# KiCad board cpu2.kicad_pcb (continued)
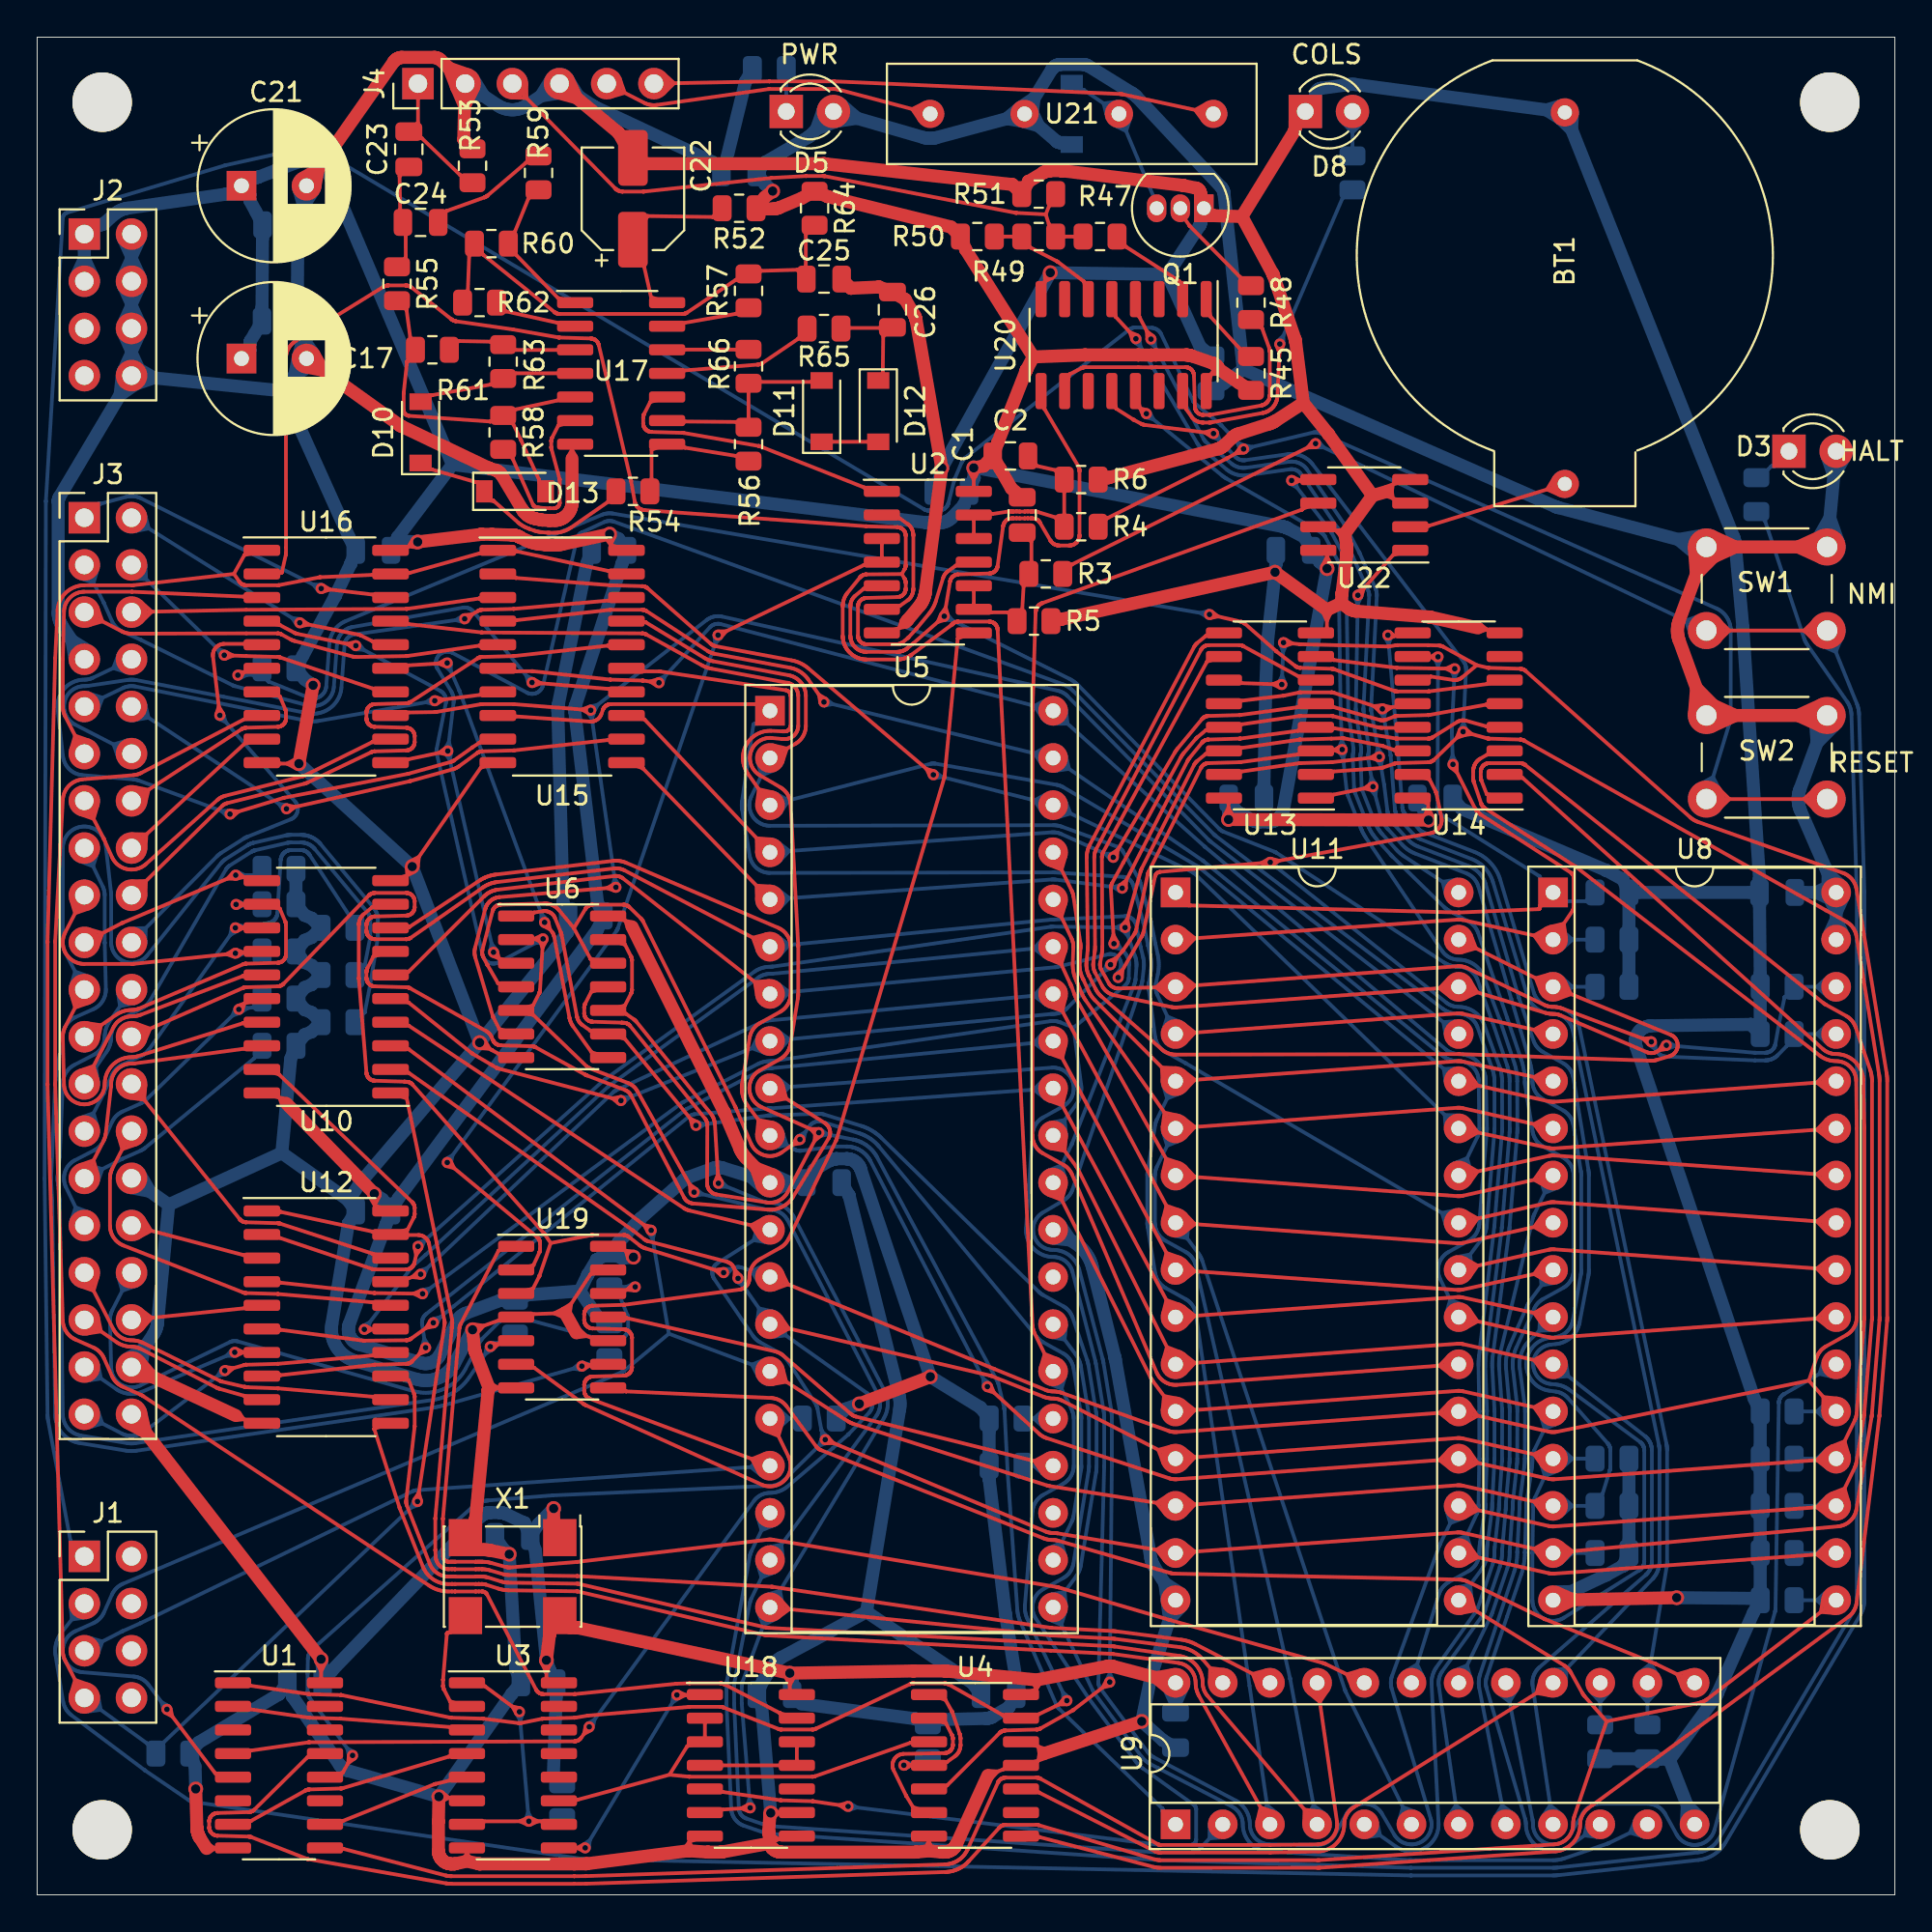
[diagram p0: board, top side]
## Routing (per net, layer and track width the routed paths; a pad name or vN(x,y) marks a point on that pad's centre or on a via; arc(x,y) is an arc through that point) (continued)
~{RD}: length 103.1
  Top w0.2: 35.55,41.6 35.16,41.79 35.27,41.37 ; U6.1 26.75,52.88 27.22,52.95 27.26,52.95 27.29,52.96 27.32,52.96 27.36,52.96 27.39,52.95 27.43,52.95 27.46,52.94 27.49,52.93 27.52,52.92 27.55,52.91 27.59,52.89 27.62,52.88 27.64,52.86 27.67,52.84 27.7,52.82 27.73,52.8 27.75,52.78 27.77,52.75 27.79,52.72 27.82,52.7 27.83,52.67 27.85,52.64 27.87,52.61 27.88,52.58 28.18,51.84 ; v2(35.47,41.42) 31.65,46.07 U6.9 29.77,46.53 29.76,46.53 29.35,46.82 29.32,46.84 29.3,46.87 29.27,46.89 29.24,46.91 29.22,46.94 29.2,46.97 29.18,47 29.16,47.03 29.14,47.06 29.12,47.09 29.11,47.12 29.09,47.15 29.08,47.19 29.07,47.22 29.06,47.27 29.05,47.3 28.24,51.65 28.23,51.68 28.22,51.71 28.22,51.73 28.21,51.76 28.2,51.79 28.19,51.82 28.18,51.85
  Bottom w0.2: 86.03,4.05 85.74,3.34 86.48,3.12 ; 35.57,41.25 35.94,41.48 35.52,41.61 ; 55.36,15.28 55.14,14.54 54.42,14.83 ; v2(35.47,41.42) 39.3,41.95 39.33,41.95 39.35,41.95 39.37,41.96 39.4,41.96 39.42,41.96 39.49,41.96 39.5,41.96 42.04,42.05 42.08,42.05 42.13,42.05 42.17,42.04 42.21,42.04 42.25,42.03 42.29,42.02 42.34,42.01 42.38,42 44.36,41.39 44.42,41.37 44.47,41.36 44.52,41.34 44.57,41.32 44.62,41.3 44.68,41.27 44.72,41.25 44.78,41.22 44.85,41.19 44.91,41.15 44.97,41.12 45.03,41.08 45.09,41.04 45.13,41.01 45.18,40.97 45.23,40.93 45.29,40.89 45.34,40.85 45.38,40.8 45.43,40.76 53.91,32.47 53.94,32.44 53.97,32.42 54,32.39 54.03,32.37 54.06,32.35 54.09,32.33 54.12,32.31 54.15,32.29 55.23,31.69 55.28,31.66 55.32,31.63 55.36,31.6 55.41,31.57 55.45,31.53 55.49,31.49 55.52,31.45 55.56,31.41 55.59,31.37 55.62,31.32 55.65,31.28 55.68,31.23 55.7,31.18 55.72,31.13 55.74,31.08 56.52,28.8 56.53,28.75 56.55,28.7 56.56,28.65 56.57,28.6 56.58,28.54 56.59,28.49 57,26.02 57.01,25.95 57.02,25.89 57.02,25.83 57.03,25.77 57.03,25.7 57.03,25.64 57.03,23.1 57.03,23.04 57.03,22.97 57.02,22.91 57.02,22.85 57.01,22.78 57,22.72 56.19,17.77 56.18,17.71 56.16,17.64 56.14,17.58 56.12,17.52 56.1,17.46 56.07,17.39 56.05,17.33 56.02,17.28 55.98,17.22 55.95,17.16 55.91,17.11 U5.21 56.82,11.02 56.83,10.99 56.85,10.96 56.86,10.93 56.88,10.9 56.9,10.87 56.92,10.85 59.43,7.46 59.47,7.41 59.52,7.36 59.56,7.31 59.61,7.26 59.66,7.22 59.71,7.18 59.76,7.14 59.82,7.1 59.88,7.07 59.93,7.03 60.35,6.82 60.35,6.82 64.32,4.75 64.37,4.72 64.42,4.69 64.47,4.66 64.51,4.62 64.56,4.58 64.6,4.54 64.64,4.5 64.68,4.45 64.71,4.4 64.74,4.36 64.77,4.3 64.8,4.25 64.82,4.2 64.84,4.14 64.86,4.09 64.87,4.03 64.89,3.97 64.89,3.91 64.9,3.85 64.9,3.71 64.91,3.63 64.92,3.54 64.94,3.46 64.96,3.38 64.99,3.3 65.02,3.22 65.05,3.14 65.09,3.07 65.14,2.99 65.19,2.92 65.24,2.86 65.3,2.79 65.36,2.73 65.42,2.68 65.49,2.63 65.55,2.58 65.63,2.53 65.7,2.49 65.78,2.46 65.86,2.42 65.94,2.4 66.02,2.38 66.1,2.36 66.19,2.35 66.27,2.34 73.86,1.87 73.89,1.87 73.92,1.87 73.95,1.86 73.98,1.86 81.6,1.86 81.68,1.87 81.76,1.87 81.84,1.88 81.92,1.89 81.99,1.91 82.07,1.92 82.15,1.94 82.22,1.97 84.5,2.74 84.52,2.75 84.55,2.76 84.58,2.77 84.6,2.78 84.63,2.8 U9.11 ; 55.39,15.55 55.31,16.31 54.56,16.17
~{READ}: length 135.9
  Top w0.2: 21.99,61.73 21.64,61.48 22.06,61.38 ; U11.24 81.36,34.72 81.4,34.73 81.44,34.74 81.48,34.74 81.52,34.75 81.56,34.75 81.6,34.75 81.64,34.75 81.68,34.75 U8.24 ; 96.33,33.16 95.8,33.72 96.41,34.19 ; U16.11 20,61.13 v2(22.11,61.57) ; U6.3 24.85,50.41 ; 24.85,50.41 24.49,50.55 ; 24.85,50.41 24.76,50.79 ; 24.85,50.41 v2(24.57,50.74) ; 77.09,33.24 77.53,33.87 76.87,34.25
  Bottom w0.2: 24.72,50.86 24.46,51.21 24.37,50.78 ; 21.95,61.45 22.21,61.11 22.3,61.53 ; U11.24 77.74,35.27 77.78,35.33 77.82,35.39 77.85,35.45 77.89,35.51 77.92,35.58 77.94,35.64 77.97,35.71 77.99,35.78 78,35.85 78.02,35.92 78.03,35.99 78.04,36.06 78.44,41.1 78.45,41.14 78.45,41.17 78.45,41.2 78.45,41.23 78.45,41.26 78.45,43.8 78.45,43.87 78.44,43.95 78.43,44.02 78.42,44.09 78.41,44.16 78.4,44.23 78.38,44.3 78.36,44.37 78.34,44.44 77.54,46.7 77.52,46.76 77.49,46.81 77.46,46.87 77.43,46.92 77.4,46.97 77.36,47.02 77.32,47.06 77.28,47.11 77.24,47.15 77.19,47.19 77.14,47.22 77.09,47.26 77.04,47.29 76.99,47.31 76.93,47.34 76.88,47.36 76.82,47.38 76.76,47.39 76.7,47.4 76.64,47.41 76.58,47.42 76.52,47.42 76.45,47.42 76.37,47.43 76.3,47.44 76.23,47.45 76.16,47.47 76.09,47.49 76.02,47.51 75.95,47.54 75.88,47.57 75.82,47.6 75.76,47.64 75.69,47.68 75.64,47.72 63.45,56.99 63.43,57.01 63.41,57.03 63.39,57.05 63.37,57.06 63.35,57.08 63.33,57.1 55.77,64.8 55.73,64.85 55.67,64.9 55.62,64.94 55.57,64.98 55.51,65.02 55.45,65.05 55.39,65.09 55.33,65.12 55.27,65.14 55.21,65.17 31.06,73.92 31.02,73.93 30.99,73.94 30.95,73.95 30.92,73.95 30.88,73.96 30.84,73.96 30.8,73.96 30.77,73.96 30.73,73.95 30.69,73.95 30.66,73.94 30.62,73.93 30.59,73.92 30.55,73.91 30.52,73.89 29.36,73.36 29.33,73.34 29.31,73.33 29.28,73.31 29.25,73.29 29.23,73.27 29.22,73.26 29.18,73.22 29.16,73.2 29.15,73.19 29.12,73.15 29.11,73.12 29.1,73.11 29.08,73.06 29.07,73.03 29.06,73.02 29.05,72.96 27.23,65.12 27.22,65.09 27.21,65.05 27.2,65.02 27.19,64.99 27.17,64.95 27.15,64.92 27.13,64.89 27.11,64.87 27.08,64.84 27.06,64.81 27.03,64.79 27,64.77 26.97,64.75 26.94,64.73 26.91,64.71 26.88,64.7 26.84,64.68 26.81,64.67 26.77,64.66 26.74,64.66 26.7,64.65 26.67,64.65 26.63,64.65 26.59,64.65 26.56,64.66 26.52,64.66 26.49,64.67 26.45,64.68 26.42,64.69 26.38,64.71 26.35,64.72 22.36,66.85 22.33,66.87 22.29,66.88 22.26,66.89 22.22,66.9 22.19,66.91 22.15,66.92 22.11,66.92 22.08,66.92 22.04,66.92 22,66.92 21.97,66.91 21.93,66.91 21.89,66.9 21.86,66.88 21.82,66.87 21.79,66.85 21.76,66.84 21.73,66.82 21.7,66.79 21.67,66.77 21.64,66.75 21.62,66.72 21.59,66.69 21.57,66.66 21.55,66.63 21.53,66.6 21.52,66.56 21.5,66.53 21.49,66.49 21.48,66.46 21.47,66.42 21.47,66.39 21.46,66.35 21.46,66.31 21.46,66.28 21.47,66.24 21.47,66.2 21.48,66.17 21.49,66.13 21.5,66.1 21.52,66.06 21.53,66.03 21.55,66 22.27,64.81 22.3,64.77 22.32,64.73 22.34,64.68 22.36,64.64 22.37,64.59 22.39,64.54 22.4,64.5 22.41,64.45 22.42,64.4 22.42,64.35 22.42,64.3 22.42,64.25 22.42,64.21 22.42,64.16 v2(22.11,61.57) v2(24.57,50.74) ; 76.39,34.33 77.14,34.47 77.22,33.71 ; 21.93,61.68 22.16,62.05 22.3,61.64
~{ROM0}: length 50.9
  Bottom w0.2: 78.64,10.85 79.26,10.39 79.66,11.05 ; U8.22 94.04,26.96 94.01,26.94 93.97,26.91 93.95,26.89 93.94,26.88 93.9,26.84 93.88,26.82 93.87,26.81 93.84,26.77 93.83,26.74 93.82,26.73 ; 93.82,26.73 93.79,26.68 93.78,26.65 93.78,26.64 93.77,26.58 93.76,26.56 93.76,26.54 93.75,26.48 93.75,26.47 93.58,15.41 93.57,15.38 93.57,15.34 ; 93.57,15.34 93.57,15.31 93.56,15.29 93.55,15.24 90.29,3.5 90.27,3.43 90.25,3.37 90.22,3.31 90.19,3.25 90.15,3.19 90.11,3.14 90.07,3.08 90.03,3.03 89.98,2.99 89.93,2.94 89.88,2.9 89.82,2.86 89.76,2.83 89.7,2.8 89.64,2.77 89.58,2.74 89.52,2.73 89.45,2.71 89.38,2.7 89.32,2.69 89.25,2.69 89.18,2.69 89.12,2.69 89.05,2.7 88.98,2.71 88.92,2.73 88.85,2.75 88.79,2.77 88.73,2.8 88.67,2.83 88.61,2.87 88.56,2.9 88.5,2.95 88.45,2.99 88.41,3.04 88.36,3.09 88.32,3.14 88.28,3.2 88.25,3.26 87.65,4.33 87.62,4.39 87.58,4.44 87.55,4.49 87.51,4.54 87.46,4.58 87.42,4.62 87.37,4.66 87.32,4.7 87.27,4.74 87.22,4.77 87.16,4.8 87.1,4.82 87.05,4.84 86.99,4.86 86.93,4.88 86.87,4.89 86.8,4.9 86.74,4.9 86.68,4.91 84.14,4.91 84.08,4.9 84.02,4.9 83.96,4.89 83.9,4.88 83.84,4.86 83.78,4.85 83.73,4.82 83.67,4.8 83.62,4.77 83.56,4.74 83.51,4.71 83.46,4.67 83.42,4.64 83.37,4.59 83.33,4.55 83.29,4.51 83.25,4.46 83.22,4.41 83.18,4.36 82.53,3.25 82.5,3.19 82.46,3.14 82.42,3.09 82.37,3.04 82.33,2.99 82.28,2.95 82.22,2.91 82.17,2.88 82.11,2.84 82.05,2.81 81.99,2.79 81.93,2.77 81.87,2.75 81.8,2.73 81.74,2.72 81.67,2.72 81.61,2.72 81.54,2.72 81.48,2.72 81.41,2.73 81.35,2.74 81.29,2.76 81.22,2.78 81.16,2.81 81.1,2.84 81.05,2.87 80.99,2.9 80.94,2.94 80.89,2.98 80.84,3.03 80.79,3.08 80.75,3.13 80.71,3.18 80.68,3.23 80.64,3.29 80.62,3.35 80.59,3.41 80.57,3.47 80.55,3.54 80.54,3.6 80.53,3.66 80.52,3.73 80.52,3.8 80.52,3.84 80.52,3.89 80.51,3.94 80.51,3.98 80.5,4.03 80.49,4.07 U9.17 ; 96.17,28.78 95.94,28.04 96.69,27.88
~{SYSRES}: length 198.8
  Top w0.2: 27.17,9.48 27.2,9.48 27.25,9.49 28.92,9.53 28.94,9.54 28.98,9.54 28.99,9.54 29.62,9.65 29.66,9.65 29.67,9.65 35.08,10.12 35.12,10.12 36.77,10.12 36.8,10.12 36.83,10.12 36.86,10.11 36.88,10.11 36.9,10.1 ; 47,11.35 46.98,11.34 41.93,8.95 41.89,8.93 41.87,8.92 41.85,8.92 41.82,8.91 41.79,8.9 41.77,8.9 41.73,8.9 41.72,8.9 40.07,8.9 40.04,8.9 40.01,8.9 39.98,8.91 39.96,8.91 39.94,8.92 ; 46.5,73.57 46.47,73.59 46.44,73.6 46.43,73.6 46.39,73.61 46.37,73.62 46.31,73.62 46.3,73.62 44.64,73.67 44.62,73.67 32.7,74.54 32.64,74.55 32.61,74.55 32.6,74.55 32.55,74.57 32.52,74.58 32.5,74.58 32.46,74.61 32.43,74.62 32.42,74.63 32.37,74.66 32.35,74.68 32.34,74.69 32.3,74.73 32.28,74.75 32.27,74.76 32.24,74.8 32.23,74.83 32.22,74.84 32.2,74.88 ; 46.59,67.42 46.85,67.64 46.87,67.66 46.9,67.68 46.92,67.71 47.31,68.13 47.34,68.16 47.35,68.17 48.01,68.96 48.06,69.03 48.11,69.11 48.16,69.18 48.21,69.26 48.25,69.33 48.29,69.41 48.32,69.49 48.36,69.58 48.38,69.66 48.77,70.89 48.78,70.92 48.79,70.95 48.81,70.99 48.82,71.02 48.84,71.05 48.86,71.08 48.88,71.11 48.9,71.14 48.93,71.16 48.95,71.19 48.98,71.21 49.01,71.24 49.04,71.26 49.45,71.55 49.45,71.55 U2.11 ; U16.2 12.99,71.16 13.09,71.16 13.1,71.16 13.12,71.16 13.13,71.17 13.15,71.18 13.16,71.19 13.17,71.2 13.18,71.22 13.18,71.23 13.39,72.13 13.39,72.16 13.4,72.21 13.4,72.22 13.4,72.53 13.39,82.7 13.39,82.76 13.4,82.82 13.4,82.88 13.42,82.94 13.43,82.99 13.45,83.05 13.47,83.11 13.49,83.16 13.52,83.21 13.55,83.27 13.58,83.32 13.61,83.37 13.65,83.41 13.69,83.46 13.73,83.5 13.77,83.54 13.82,83.58 13.87,83.61 13.92,83.64 18.63,86.56 18.66,86.57 18.71,86.6 18.74,86.61 18.75,86.61 18.81,86.62 18.83,86.63 18.85,86.63 18.9,86.64 18.92,86.64 19.82,86.64 19.85,86.64 19.9,86.63 19.93,86.63 19.94,86.62 20,86.61 20.02,86.6 20.04,86.59 20.08,86.57 20.11,86.56 20.12,86.55 20.17,86.51 20.17,86.51 22.29,84.83 22.3,84.81 22.34,84.78 22.37,84.77 22.38,84.76 22.43,84.74 22.46,84.73 22.47,84.72 22.52,84.71 22.55,84.71 25.62,84.26 25.63,84.26 28.06,83.84 28.08,83.83 28.13,83.83 29.79,83.78 29.84,83.78 29.87,83.77 29.89,83.77 29.93,83.76 29.95,83.75 29.99,83.73 ; 49.04,11.34 49.01,11.36 48.98,11.37 48.97,11.37 48.93,11.38 48.91,11.39 48.86,11.39 48.83,11.39 47.19,11.39 47.16,11.39 47.12,11.39 47.1,11.38 47.08,11.38 47.04,11.37 47.02,11.36 47,11.35 ; 55.28,10.58 55,10.25 55.44,10.26 ; 46.5,73.57 46.53,73.56 46.55,73.54 46.58,73.52 46.6,73.51 46.61,73.49 46.64,73.47 46.65,73.45 46.66,73.44 46.68,73.41 46.7,73.38 46.71,73.37 46.72,73.33 46.73,73.31 46.74,73.29 46.75,73.26 46.75,73.23 46.75,73.21 46.76,73.17 46.76,73.16 46.76,71.59 46.75,71.56 46.75,71.53 46.75,71.5 46.74,71.48 46.73,71.45 46.72,71.42 46.72,71.41 46.7,71.37 46.7,71.36 46.55,71.1 ; 46.55,71.1 46.69,70.85 46.71,70.83 46.72,70.79 46.73,70.77 46.74,70.75 46.75,70.72 46.75,70.69 46.75,70.67 46.76,70.63 46.76,70.62 46.76,70.32 46.75,70.29 46.75,70.26 46.75,70.23 46.74,70.21 46.73,70.18 46.72,70.15 46.72,70.14 46.7,70.11 46.69,70.08 46.68,70.07 46.66,70.04 46.64,70.02 46.63,70 46.6,69.98 46.58,69.96 46.57,69.95 46.54,69.93 46.52,69.92 46.5,69.91 46.47,69.89 46.44,69.88 46.43,69.88 46.39,69.87 46.37,69.86 46.35,69.86 46.3,69.86 44.64,69.81 44.59,69.81 44.56,69.8 44.54,69.8 44.5,69.79 44.48,69.78 44.46,69.77 ; 46.55,71.1 44.64,71.08 44.62,71.08 44.58,71.08 44.56,71.07 44.54,71.07 44.5,71.06 44.48,71.05 44.44,71.03 44.41,71.02 44.39,71.01 44.36,70.98 44.34,70.97 44.32,70.94 44.29,70.92 44.29,70.91 43.62,70.09 43.59,70.05 43.55,70 43.52,69.95 43.5,69.9 43.47,69.85 43.45,69.8 43.43,69.75 43.41,69.7 43.4,69.64 43.39,69.59 43.38,69.54 43.37,69.48 43.37,69.43 43.36,69.39 43.36,69.35 43.36,67.78 43.36,67.74 43.37,67.7 43.37,67.65 43.37,67.62 43.38,67.59 43.38,67.56 43.39,67.52 43.4,67.49 43.4,67.46 43.41,67.44 43.42,67.41 43.43,67.37 43.44,67.34 43.45,67.31 43.46,67.28 43.49,67.24 43.51,67.19 43.52,67.17 43.54,67.14 43.55,67.11 43.57,67.08 43.59,67.06 ; 32.2,74.88 32.19,74.91 32.18,74.93 32.17,74.99 32.17,75 31.97,76.1 31.97,76.12 30.23,83.42 30.22,83.46 30.21,83.49 30.21,83.5 30.19,83.53 30.18,83.56 30.17,83.57 30.15,83.6 30.13,83.62 30.12,83.64 30.09,83.66 30.07,83.68 30.04,83.7 30.02,83.72 29.99,83.73 ; 44.46,69.77 44.43,69.76 44.41,69.74 44.38,69.73 44.36,69.71 44.34,69.69 44.3,69.66 44.29,69.64 44.26,69.6 44.25,69.58 44.23,69.56 44.22,69.52 44.21,69.5 44.2,69.48 44.19,69.45 44.19,69.42 44.19,69.37 44.18,69.35 44.18,67.78 44.19,67.75 44.19,67.72 44.19,67.69 44.2,67.67 44.21,67.64 44.22,67.61 44.23,67.57 44.25,67.55 44.26,67.53 44.28,67.5 44.3,67.48 44.31,67.46 44.34,67.44 44.36,67.42 44.37,67.41 44.4,67.39 44.42,67.38 44.44,67.37 44.47,67.35 44.5,67.34 44.51,67.34 44.55,67.33 44.57,67.32 44.59,67.32 44.63,67.32 44.64,67.32 46.3,67.32 46.32,67.32 46.36,67.32 46.38,67.33 46.4,67.33 46.44,67.34 46.46,67.35 46.48,67.36 46.51,67.37 46.53,67.39 46.55,67.4 46.58,67.42 46.59,67.43 ; 51.45,68.49 51.42,68.51 51.39,68.52 51.38,68.52 51.34,68.53 51.32,68.54 51.27,68.54 51.25,68.54 49.59,68.54 49.57,68.54 49.53,68.54 49.51,68.53 49.49,68.53 49.45,68.52 49.43,68.51 49.39,68.49 49.36,68.48 49.34,68.47 49.31,68.44 49.29,68.43 49.25,68.39 49.23,68.37 49.21,68.35 49.19,68.34 47.07,66.76 47.04,66.74 47.02,66.72 46.99,66.71 46.96,66.69 46.94,66.67 46.91,66.65 46.88,66.64 46.85,66.63 46.79,66.6 46.76,66.59 46.73,66.58 46.7,66.57 46.67,66.56 46.64,66.55 46.61,66.54 46.58,66.53 46.55,66.52 46.52,66.52 46.49,66.51 46.45,66.51 46.42,66.51 46.37,66.5 46.33,66.5 46.3,66.5 44.64,66.5 44.61,66.5 44.57,66.5 44.52,66.51 44.49,66.51 44.45,66.51 44.42,66.52 44.39,66.52 44.36,66.53 44.33,66.54 44.3,66.55 44.27,66.56 44.24,66.57 44.21,66.58 44.18,66.59 44.15,66.6 44.12,66.61 44.09,66.63 44.06,66.64 44.03,66.65 44,66.67 43.98,66.69 43.95,66.71 43.92,66.72 43.9,66.74 43.87,66.76 43.85,66.78 43.82,66.8 43.8,66.82 43.77,66.84 43.75,66.87 43.73,66.88 43.71,66.91 43.69,66.93 43.66,66.96 43.64,66.98 43.62,67.01 43.59,67.06 ; v2(55.43,10.45) 53.92,9.72 U4.13 51.98,9.67 51.97,9.68 49.06,11.33 49.04,11.34 ; 39.94,8.92 39.91,8.93 39.91,8.93 36.93,10.09 36.91,10.1 36.9,10.1 ; 54.95,28.83 54.23,29.11 54.02,28.38 ; 51.45,68.49 51.48,68.48 51.5,68.46 51.53,68.44 51.55,68.43 51.56,68.41 51.59,68.39 51.6,68.37 51.61,68.35 51.63,68.33 51.65,68.3 51.66,68.29 51.67,68.25 51.68,68.23 51.69,68.21 51.7,68.18 51.7,68.15 51.7,68.13 51.71,68.1 53.58,30.66 53.58,30.62 53.59,30.57 53.6,30.53 53.6,30.49 53.61,30.44 53.63,30.4 53.64,30.36 53.65,30.32 53.67,30.27 53.69,30.23 U5.26 ; 27.17,9.48 26.09,9.26 26.06,9.25 26.04,9.25 26.01,9.25 25.99,9.24 25.96,9.24 25.94,9.24 25.91,9.25 25.89,9.25 24.03,9.48 23.97,9.49 23.97,9.49 22.3,9.53 22.28,9.54 22.24,9.54 22.22,9.54 16.41,10.75 16.38,10.75 16.33,10.76 14.66,10.8 14.64,10.81 14.6,10.81 11.52,11.25 10.55,11.42
  Bottom w0.2: 55.56,10.61 55.22,10.89 55.23,10.45 ; 54.43,27.53 55.14,27.24 55.36,27.98 ; U5.26 55.69,26.12 55.71,26.08 55.73,26.03 55.74,25.98 55.76,25.94 55.77,25.89 55.78,25.84 55.79,25.79 55.79,25.74 55.8,25.69 55.8,25.64 55.8,23.1 55.8,23.04 55.79,22.97 55.78,22.91 55.77,22.85 55.76,22.79 55.74,22.73 55.71,22.68 55.69,22.62 55.66,22.56 55.63,22.51 55.6,22.46 55.56,22.41 55.52,22.36 55.48,22.32 55.43,22.27 55.38,22.23 55.33,22.2 55.28,22.16 55.23,22.13 54.15,21.53 54.1,21.5 54.05,21.46 54,21.43 53.95,21.39 53.91,21.35 53.87,21.3 53.83,21.26 53.79,21.21 53.76,21.16 53.72,21.11 53.7,21.05 53.67,21 53.65,20.94 53.63,20.89 53.61,20.83 53.6,20.77 53.59,20.71 53.58,20.65 53.17,15.6 53.17,15.53 53.17,15.45 53.17,15.38 53.18,15.31 53.19,15.24 53.2,15.16 53.22,15.09 53.24,15.02 53.26,14.95 53.29,14.88 53.32,14.82 v2(55.43,10.45)
~{WAIT}: length 30.4
  Top w0.2: U19.11 31.61,31.05 31.71,31.05 31.73,31.05 39.69,29.26 39.74,29.25 39.79,29.24 39.83,29.22 39.88,29.2 39.93,29.18 39.97,29.16 40.01,29.13 40.06,29.11 40.1,29.08 40.14,29.05 40.17,29.02 43.79,25.89 43.82,25.87 43.84,25.86 43.87,25.84 43.89,25.82 43.92,25.81 43.94,25.79 43.97,25.78 44,25.77 44.03,25.76 44.06,25.75 44.09,25.74 54.69,23.1 ; 54.11,22.71 53.68,23.35 54.36,23.72
  Bottom w0.2: 54.69,23.1 R17.1 ; 54.22,23.62 53.65,23.1 54.22,22.58
~{WRITE}: length 97.2
  Top w0.2: 29.73,63.96 29.32,63.81 29.7,63.59 ; v2(29.8,63.77) 25.66,64.09 25.63,64.1 23.96,64.1 23.93,64.09 23.89,64.09 23.88,64.09 21.51,63.68 21.48,63.67 21.44,63.67 21.41,63.67 20.01,63.65 U16.13 ; v2(31.15,54.24) 24.89,53.71 24.85,53.7 24.83,53.7 24.81,53.7 24.79,53.69 24.77,53.69 24.72,53.68 24.7,53.67 24.68,53.67 24.66,53.66 24.64,53.65 24.63,53.64 24.58,53.62 24.56,53.61 24.54,53.6 24.52,53.59 24.51,53.58 24.49,53.57 24.45,53.54 24.43,53.53 24.42,53.52 24.4,53.51 24.39,53.49 24.37,53.48 24.33,53.44 24.32,53.43 24.31,53.41 24.29,53.4 24.28,53.38 24.27,53.37 24.24,53.33 24.23,53.31 24.22,53.29 24.21,53.28 24.2,53.26 24.19,53.24 24.16,53.19 24.16,53.17 24.15,53.16 24.14,53.14 24.13,53.12 24.13,53.1 24.11,53.05 23.58,51 23.57,50.95 23.56,50.91 23.55,50.86 23.55,50.82 23.55,50.77 23.55,50.72 23.55,50.68 23.55,50.63 23.56,50.58 23.57,50.54 23.58,50.49 23.59,50.45 24.52,47.32 24.53,47.29 24.55,47.25 24.55,47.24 24.87,46.61 24.87,46.61 U6.6 ; 31.09,54.05 30.68,54.2 31.06,54.41
  Bottom w0.2: 75.83,46.22 75.7,46.98 76.47,47.04 ; 29.63,63.66 29.87,63.29 29.99,63.71 ; v2(31.15,54.24) v2(29.8,63.77) 36.03,68.62 36.07,68.65 36.11,68.68 36.16,68.7 36.2,68.73 36.25,68.75 36.3,68.77 36.35,68.79 36.4,68.8 36.45,68.81 36.51,68.82 36.56,68.83 36.61,68.83 36.66,68.83 36.72,68.83 36.77,68.82 36.82,68.82 36.87,68.81 54.93,64.82 54.98,64.81 55.03,64.8 55.08,64.78 55.13,64.76 55.18,64.73 55.23,64.71 55.27,64.68 55.32,64.65 55.36,64.62 55.4,64.59 55.44,64.55 55.48,64.52 63.04,56.81 63.06,56.79 63.09,56.77 63.11,56.74 63.14,56.72 63.17,56.7 63.19,56.68 U11.29 ; 29.98,63.68 30.18,64.06 29.75,63.96 ; 31.32,54.35 31.09,54.71 30.96,54.3
~{WR}: length 69.3
  Top w0.2: 28.89,52.04 29.78,50.39 29.79,50.39 U6.12 ; 28.89,52.04 29.51,53.07 29.53,53.11 29.55,53.13 29.57,53.15 29.6,53.18 29.62,53.2 29.65,53.22 29.67,53.23 29.69,53.25 29.74,53.27 29.76,53.28 29.78,53.28 29.81,53.29 29.84,53.3 29.89,53.3 29.91,53.3 31.56,53.3 31.59,53.3 31.62,53.3 31.65,53.29 31.67,53.29 31.7,53.28 31.73,53.27 31.77,53.25 ; 28.89,52.04 28.1,53 28.07,53.04 28.03,53.08 27.99,53.11 27.95,53.15 27.9,53.18 27.86,53.21 27.81,53.24 27.76,53.26 27.71,53.29 27.66,53.31 27.61,53.32 27.56,53.34 27.5,53.35 27.45,53.36 27.39,53.36 27.34,53.37 27.29,53.37 24.95,53.3 24.91,53.3 24.88,53.29 24.85,53.29 24.82,53.28 24.79,53.27 24.75,53.25 24.73,53.24 24.71,53.23 24.68,53.2 24.66,53.19 24.63,53.16 24.61,53.14 24.6,53.12 24.57,53.09 24.56,53.06 24.54,53.02 24.53,53 24.52,52.97 24.51,52.94 23.98,50.89 23.97,50.86 23.96,50.84 23.96,50.81 23.96,50.77 23.96,50.74 23.96,50.71 23.96,50.68 23.96,50.65 23.97,50.62 23.97,50.59 23.98,50.57 23.99,50.54 24,50.51 24.01,50.48 24.03,50.45 24.23,50.08 24.24,50.05 24.81,49.07 24.82,49.07 U6.4 ; 31.77,53.25 31.79,53.24 31.81,53.22 31.84,53.2 31.86,53.19 31.87,53.18 32.49,52.58 32.51,52.56 32.52,52.54 32.54,52.52 32.56,52.5 32.57,52.48 32.58,52.46 32.6,52.44 32.61,52.42 32.62,52.4 37.56,42.46 37.58,42.43 37.59,42.4 37.6,42.37 37.62,42.34 38.43,40.44 38.46,40.38 38.49,40.32 38.52,40.27 38.56,40.21 38.6,40.16 38.65,40.11 38.69,40.07 38.74,40.02 38.79,39.98 38.85,39.95 38.9,39.91 38.96,39.88 39.02,39.85 39.09,39.83 39.15,39.81 39.21,39.79 39.28,39.78 39.34,39.77 39.41,39.77 39.47,39.77 39.54,39.77 39.61,39.78 39.67,39.79 39.74,39.81 39.8,39.83 39.86,39.85 39.92,39.87 39.98,39.9 40.04,39.94 40.09,39.97 v2(41.06,40.66) ; 41.1,40.47 40.67,40.39 40.89,40.76
  Bottom w0.2: 54.43,18.67 55.14,18.95 55.36,18.22 ; 41.26,40.62 41.34,41.05 40.96,40.84 ; v2(41.06,40.66) 41.58,41.38 41.6,41.41 41.62,41.44 41.65,41.46 41.67,41.49 41.7,41.51 41.73,41.53 41.76,41.55 41.79,41.57 41.82,41.58 41.85,41.59 41.88,41.61 41.92,41.62 41.95,41.62 41.98,41.63 42.02,41.64 42.05,41.64 42.09,41.64 42.12,41.64 42.15,41.63 42.19,41.63 42.22,41.62 42.26,41.61 44.24,41 44.29,40.99 44.33,40.97 44.37,40.95 44.42,40.94 44.46,40.92 44.5,40.9 44.55,40.88 44.6,40.85 44.65,40.83 44.7,40.8 44.75,40.77 44.8,40.74 44.85,40.7 44.89,40.67 44.94,40.64 44.99,40.6 45.03,40.57 45.08,40.53 45.12,40.49 45.16,40.45 45.19,40.42 45.22,40.39 45.24,40.36 45.27,40.34 45.3,40.31 45.32,40.28 53.83,30.01 53.86,29.98 53.9,29.94 53.93,29.91 53.96,29.88 54,29.85 54.03,29.82 54.07,29.8 54.11,29.77 54.15,29.75 55.23,29.15 55.28,29.12 55.33,29.09 55.38,29.05 55.42,29.01 55.46,28.97 55.5,28.93 55.54,28.89 55.58,28.84 55.61,28.79 55.64,28.74 55.67,28.69 55.7,28.64 55.72,28.58 55.74,28.53 55.76,28.47 55.77,28.42 55.78,28.36 56.19,25.88 56.2,25.84 56.2,25.8 56.2,25.76 56.21,25.72 56.21,25.68 56.21,25.64 56.21,23.1 56.21,23.06 56.21,23.02 56.2,22.98 56.2,22.94 56.2,22.89 56.19,22.85 55.78,20.38 55.78,20.34 55.77,20.3 55.76,20.26 55.75,20.22 55.73,20.19 55.72,20.15 55.7,20.11 55.69,20.07 U5.22
Net-(BT1-Pad1): length 10.2
  Top w0.2: 73.92,73.65 74.79,73.69 74.89,73.7 74.92,73.7 74.92,73.7 BT1.1 ; 81.96,75.35 81.28,75.66 81.67,76.3
Net-(C1-Pad2): length 8.9
  Top w0.2: C1.2 53.52,72.83 53.52,71.71 R3.1 53.1,70.41 53.03,69.26 R5.1 52.24,69.04 51.39,69.04 U2.9 U2.10
Net-(C2-Pad2): length 11.4
  Top w0.2: U2.12 U2.13 51.3,74.33 51.4,74.33 51.41,74.33 52.26,74.46 52.29,74.47 52.31,74.47 52.34,74.47 52.37,74.47 52.39,74.47 52.42,74.47 52.47,74.47 52.52,74.46 52.56,74.46 52.57,74.46 52.67,74.47 52.71,74.47 52.74,74.47 52.78,74.47 52.88,74.46 52.9,74.46 53.15,74.46 53.17,74.46 53.27,74.47 53.31,74.47 53.34,74.47 53.38,74.47 53.48,74.46 53.51,74.46 53.54,74.46 53.6,74.47 53.63,74.47 53.66,74.47 53.69,74.47 53.72,74.47 53.75,74.47 53.78,74.46 53.81,74.46 53.84,74.45 53.87,74.44 54.78,74.16 R4.1 R6.1 54.78,76.7 53.83,76.92 C2.2